# Altium PCB PowerBoard.PcbDoc (part 2 of 4) (continued)
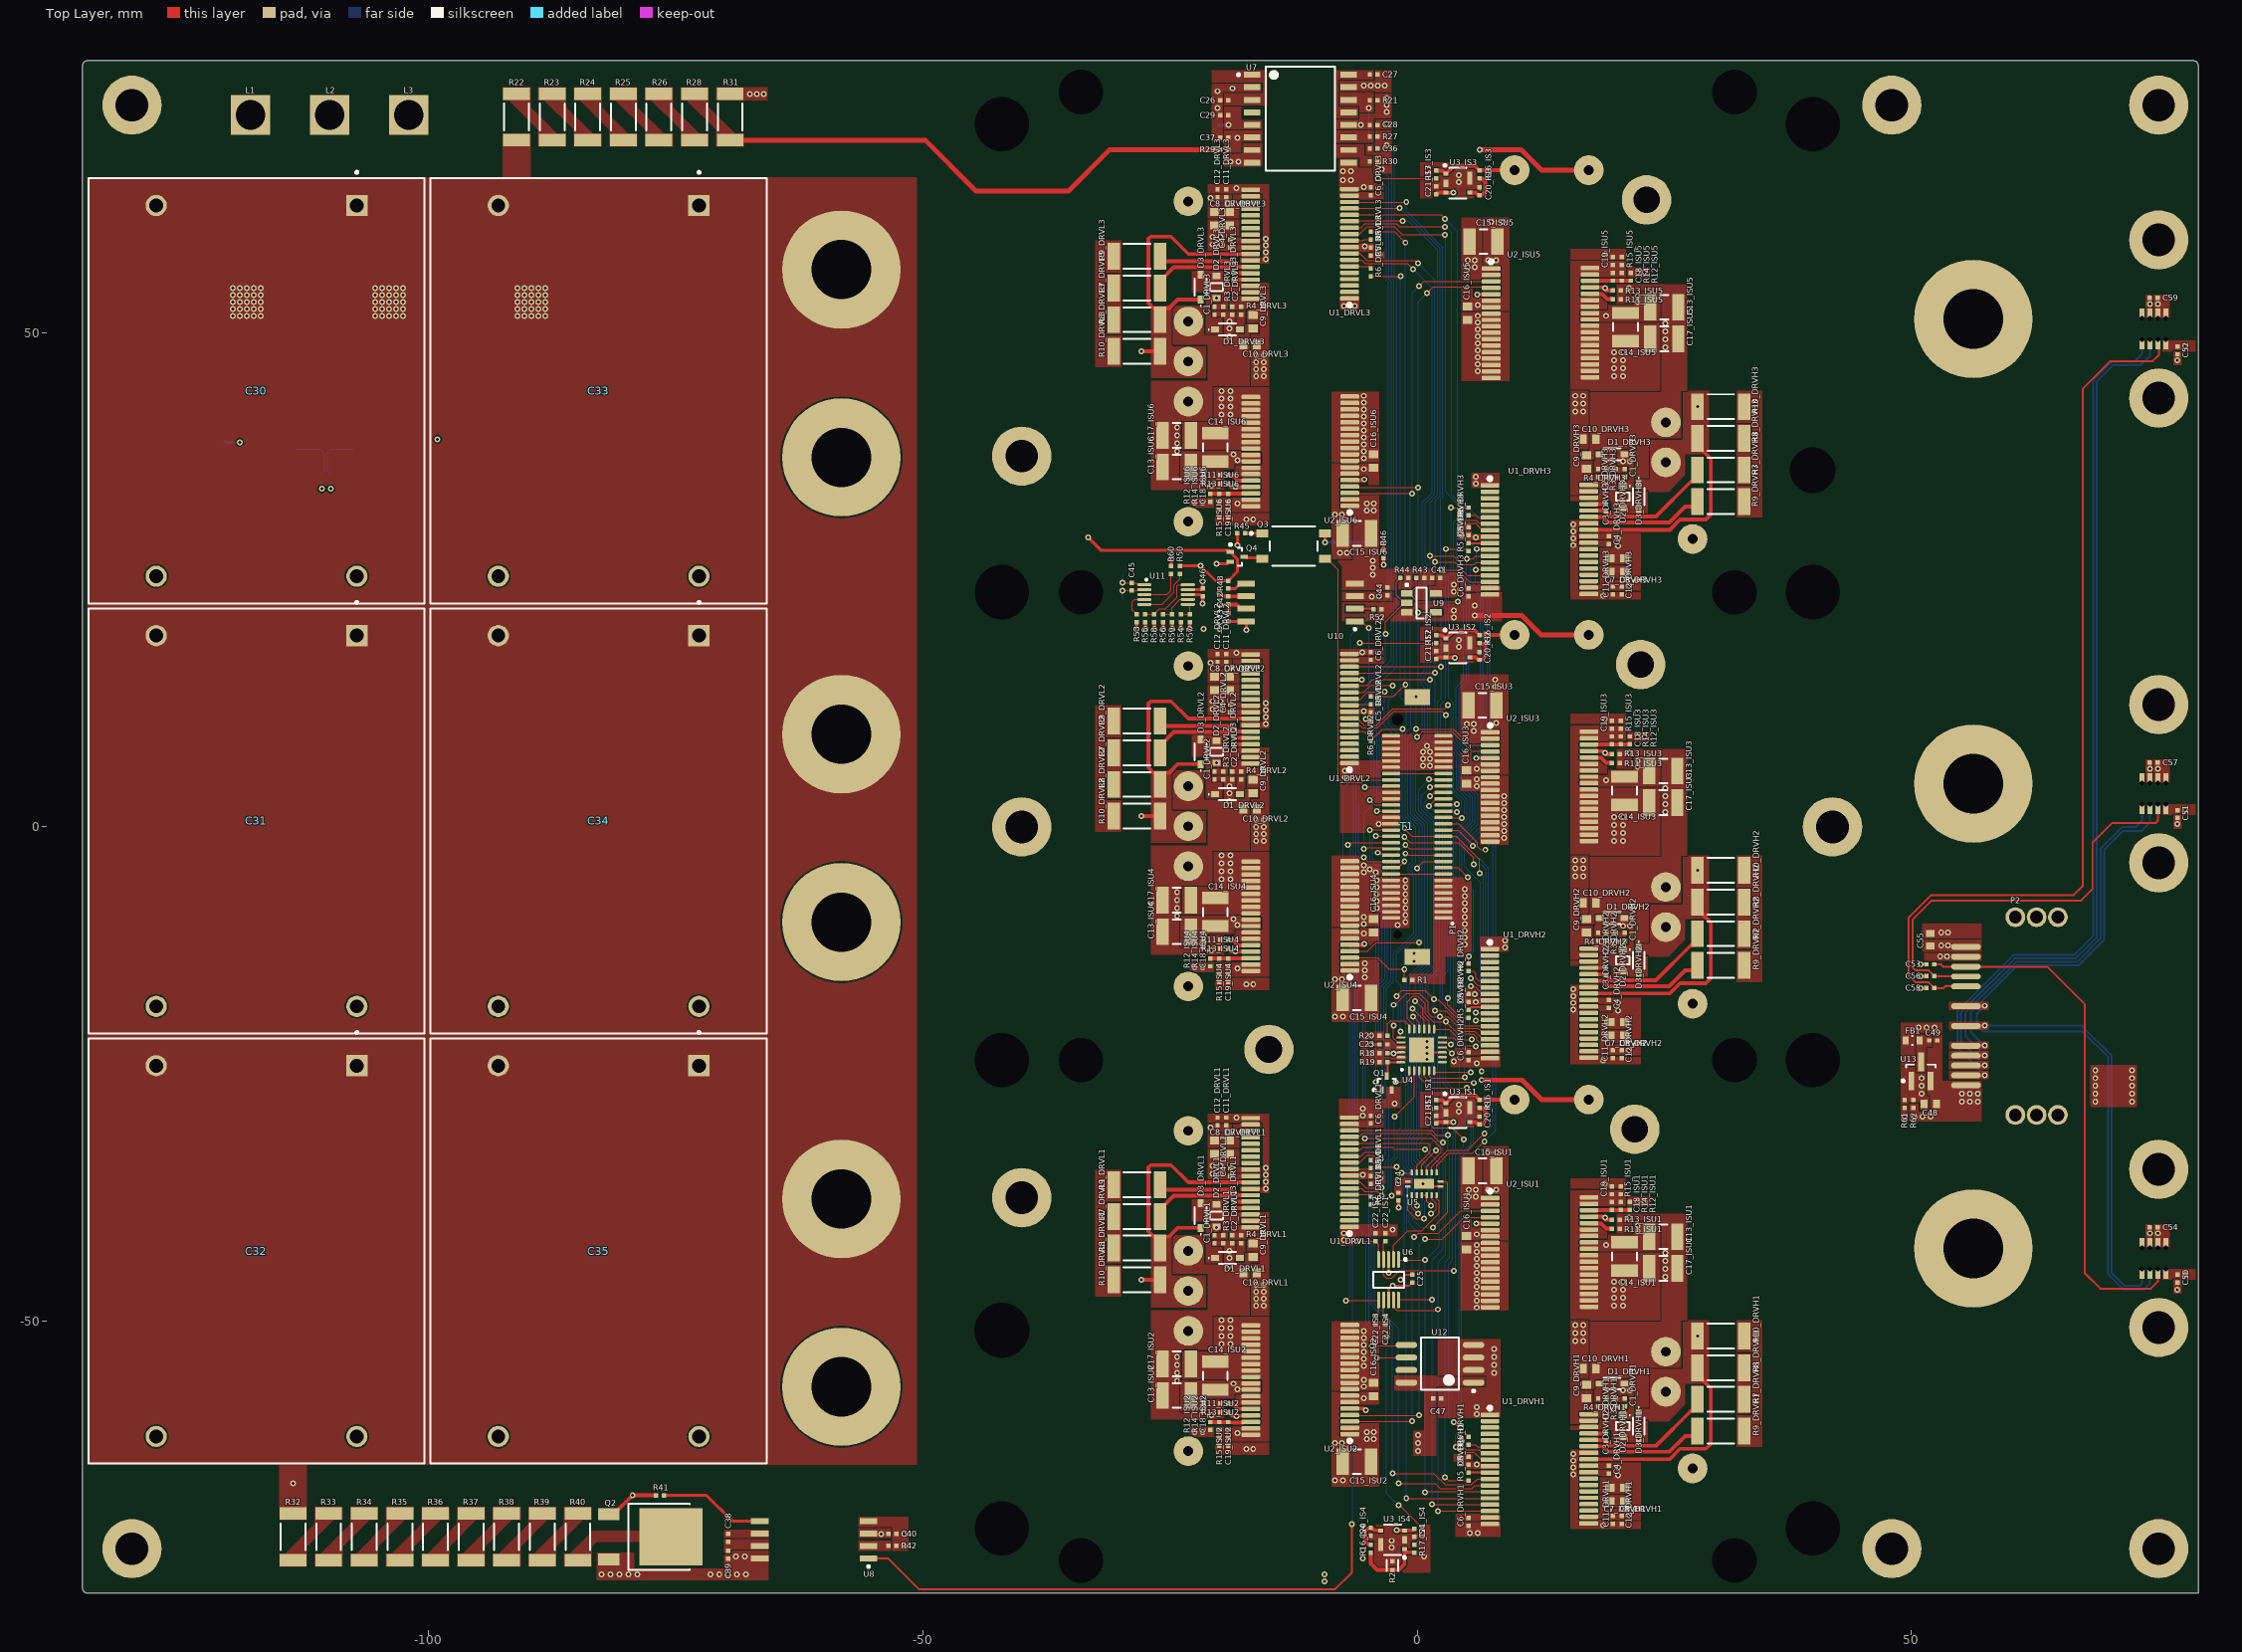
[diagram p0: Top Layer view]
## Nets (pads, with @x,y where several pads share a name; then routed paths per layer and width w, separated by ;. In a path a pad name is that pad's centre, name@x,y a point inside that pad or via, vN(x,y) a via of type N, cw(c..) or ccw(c..) an arc to the next point about the centre after c; other vN are vias at no path point) (continued)
  other v1: 21.4,-22.6 20.3,-18.6 20.3,-17.8 25.1,1.5 25.1,2.3 25.1,3.1 25.1,3.9 21.4,7.5
DRV_COM_DRVH3: C1_DRVH3.2 C2_DRVH3.2 C4_DRVH3.1 C7_DRVH3.2 C8_DRVH3.2 C9_DRVH3.2 C10_DRVH3.2 C11_DRVH3.1 C12_DRVH3.1 C13_ISU5.1 C17_ISU5.2 ICM_ISU5.1 PHS_HBW.1 R3_DRVH3.1 R11_ISU5.1 R13_ISU5.1 T1.S5 U1_DRVH3.28
  other v1: 21.4,24.4 20.3,28.4 20.3,29.2 25.1,48.5 25.1,49.3 25.1,50.1 25.1,50.9 21.4,54.5
DRV_COM_DRVL1: C1_DRVL1.2 C2_DRVL1.2 C4_DRVL1.1 C7_DRVL1.2 C8_DRVL1.2 C9_DRVL1.2 C10_DRVL1.2 C11_DRVL1.1 C12_DRVL1.1 C13_ISU2.1 C17_ISU2.2 ICM_ISU2.1 R3_DRVL1.1 R11_ISU2.1 R13_ISU2.1 T1.S2.1 T1.S2.2 U1_DRVL1.28
  other v1: -20.8,-59.5 -24.3,-56 -24.3,-55.2 -24.3,-54.4 -24.3,-53.6 -19,-44.4 -19,-43.6 -19,-42.9 -20.7,-35.1 -19.9,-35.1 -20.7,-34.3 -19.9,-34.3 -20.9,-30.4
DRV_COM_DRVL2: C1_DRVL2.2 C2_DRVL2.2 C4_DRVL2.1 C7_DRVL2.2 C8_DRVL2.2 C9_DRVL2.2 C10_DRVL2.2 C11_DRVL2.1 C12_DRVL2.1 C13_ISU4.1 C17_ISU4.2 ICM_ISU4.1 R3_DRVL2.1 R11_ISU4.1 R13_ISU4.1 T1.S4.1 T1.S4.2 U1_DRVL2.28
  other v1: -20.8,-12.5 -24.3,-9 -24.3,-8.2 -24.3,-7.4 -24.3,-6.6 -19,2.6 -19,3.4 -19,4.1 -20.7,11.9 -19.9,11.9 -20.7,12.7 -19.9,12.7 -20.9,16.6
DRV_COM_DRVL3: C1_DRVL3.2 C2_DRVL3.2 C4_DRVL3.1 C7_DRVL3.2 C8_DRVL3.2 C9_DRVL3.2 C10_DRVL3.2 C11_DRVL3.1 C12_DRVL3.1 C13_ISU6.1 C17_ISU6.2 ICM_ISU6.1 R3_DRVL3.1 R11_ISU6.1 R13_ISU6.1 T1.S6.1 T1.S6.2 U1_DRVL3.28
  other v1: -20.8,34.5 -24.3,38 -24.3,38.8 -24.3,39.6 -24.3,40.4 -19,49.6 -19,50.4 -19,51.1 -20.7,58.9 -19.9,58.9 -20.7,59.7 -19.9,59.7 -20.9,63.6
DRV_VDD_DRVH1: C9_DRVH1.1 C10_DRVH1.1 C13_ISU1.2 C14_ISU1.2 IVD_ISU1.1 R12_ISU1.1 U1_DRVH1.35 U2_ISU1.28 U2_ISU1.29
  other v1: 16,-52 16.8,-52 16,-51.2 16.8,-51.2 16,-50.4 16.8,-50.4 19.1,-42.3 22.3,-40.9 22.3,-40.3 22.3,-37.9 23,-37.9
DRV_VDD_DRVH2: C9_DRVH2.1 C10_DRVH2.1 C13_ISU3.2 C14_ISU3.2 IVD_ISU3.1 R12_ISU3.1 U1_DRVH2.35 U2_ISU3.28 U2_ISU3.29
  other v1: 16,-5 16.8,-5 16,-4.2 16.8,-4.2 16,-3.4 16.8,-3.4 19.1,4.7 22.3,6.1 22.3,6.7 22.3,9.1 23,9.1
DRV_VDD_DRVH3: C9_DRVH3.1 C10_DRVH3.1 C13_ISU5.2 C14_ISU5.2 IVD_ISU5.1 R12_ISU5.1 U1_DRVH3.35 U2_ISU5.28 U2_ISU5.29
  other v1: 16,42 16.8,42 16,42.8 16.8,42.8 16,43.6 16.8,43.6 19.1,51.7 22.3,53.1 22.3,53.7 22.3,56.1 23,56.1
DRV_VDD_DRVL1: C9_DRVL1.1 C10_DRVL1.1 C13_ISU2.2 C14_ISU2.2 IVD_ISU2.1 R12_ISU2.1 U1_DRVL1.35 U2_ISU2.28 U2_ISU2.29
  other v1: -22.5,-61.2 -21.7,-61.2 -21.6,-58.7 -21.6,-58 -18.2,-56.9 -18.6,-56.3 -16.3,-48.4 -15.5,-48.4 -16.3,-47.7 -15.5,-47.7 -16.3,-47 -15.5,-47 -16.3,-46.3 -15.5,-46.3
DRV_VDD_DRVL2: C9_DRVL2.1 C10_DRVL2.1 C13_ISU4.2 C14_ISU4.2 IVD_ISU4.1 R12_ISU4.1 U1_DRVL2.35 U2_ISU4.28 U2_ISU4.29
  other v1: -22.5,-14.2 -21.7,-14.2 -21.6,-11.7 -21.6,-11 -18.2,-9.9 -18.6,-9.3 -16.3,-1.4 -15.5,-1.4 -16.3,-0.7 -15.5,-0.7 -16.3,0 -15.5,0 -16.3,0.7 -15.5,0.7
DRV_VDD_DRVL3: C9_DRVL3.1 C10_DRVL3.1 C13_ISU6.2 C14_ISU6.2 IVD_ISU6.1 R12_ISU6.1 U1_DRVL3.35 U2_ISU6.28 U2_ISU6.29
  other v1: -22.5,32.8 -21.7,32.8 -21.6,35.3 -21.6,36 -18.2,37.1 -18.6,37.7 -16.3,45.6 -15.5,45.6 -16.3,46.3 -15.5,46.3 -16.3,47 -15.5,47 -16.3,47.7 -15.5,47.7
DRV_VEE_DRVH1: C11_DRVH1.2 C12_DRVH1.2 C14_ISU1.1 C17_ISU1.1 C18_ISU1.2 C19_ISU1.2 IVE_ISU1.1 R14_ISU1.1 R15_ISU1.1 U1_DRVH1.19 U1_DRVH1.30 U2_ISU1.19 U2_ISU1.20 U2_ISU1.21 U2_ISU1.22 U2_ISU1.23 U2_ISU1.24 U2_ISU1.25 U2_ISU1.26 U2_ISU1.27 U2_ISU1.30 U2_ISU1.31 U2_ISU1.35 U2_ISU1.36
  other v1: 18.8,-70.6 15.8,-65.5 15.8,-64.8 15.8,-64.1 15.8,-63.4 19.9,-48.4 20.8,-48.4 19.9,-47.6 20.8,-47.6 19.9,-46.8 20.8,-46.8 19.9,-46 20.8,-46
DRV_VEE_DRVH2: C11_DRVH2.2 C12_DRVH2.2 C14_ISU3.1 C17_ISU3.1 C18_ISU3.2 C19_ISU3.2 IVE_ISU3.1 R14_ISU3.1 R15_ISU3.1 U1_DRVH2.19 U1_DRVH2.30 U2_ISU3.19 U2_ISU3.20 U2_ISU3.21 U2_ISU3.22 U2_ISU3.23 U2_ISU3.24 U2_ISU3.25 U2_ISU3.26 U2_ISU3.27 U2_ISU3.30 U2_ISU3.31 U2_ISU3.35 U2_ISU3.36
  other v1: 18.8,-23.6 15.8,-18.5 15.8,-17.8 15.8,-17.1 15.8,-16.4 19.9,-1.4 20.8,-1.4 19.9,-0.6 20.8,-0.6 19.9,0.2 20.8,0.2 19.9,1 20.8,1
DRV_VEE_DRVH3: C11_DRVH3.2 C12_DRVH3.2 C14_ISU5.1 C17_ISU5.1 C18_ISU5.2 C19_ISU5.2 IVE_ISU5.1 R14_ISU5.1 R15_ISU5.1 U1_DRVH3.19 U1_DRVH3.30 U2_ISU5.19 U2_ISU5.20 U2_ISU5.21 U2_ISU5.22 U2_ISU5.23 U2_ISU5.24 U2_ISU5.25 U2_ISU5.26 U2_ISU5.27 U2_ISU5.30 U2_ISU5.31 U2_ISU5.35 U2_ISU5.36
  other v1: 18.8,23.4 15.8,28.5 15.8,29.2 15.8,29.9 15.8,30.6 19.9,45.6 20.8,45.6 19.9,46.4 20.8,46.4 19.9,47.2 20.8,47.2 19.9,48 20.8,48
DRV_VEE_DRVL1: C11_DRVL1.2 C12_DRVL1.2 C14_ISU2.1 C17_ISU2.1 C18_ISU2.2 C19_ISU2.2 IVE_ISU2.1 R14_ISU2.1 R15_ISU2.1 U1_DRVL1.19 U1_DRVL1.30 U2_ISU2.19 U2_ISU2.20 U2_ISU2.21 U2_ISU2.22 U2_ISU2.23 U2_ISU2.24 U2_ISU2.25 U2_ISU2.26 U2_ISU2.27 U2_ISU2.30 U2_ISU2.31 U2_ISU2.35 U2_ISU2.36
  other v1: -18.2,-61.3 -19.8,-52.3 -18.9,-52.3 -19.8,-51.5 -18.9,-51.5 -19.8,-50.7 -18.9,-50.7 -19.8,-49.9 -18.9,-49.9 -15.3,-36.6 -15.3,-35.9 -15.3,-35.2 -15.3,-34.5 -18.3,-29.4
DRV_VEE_DRVL2: C11_DRVL2.2 C12_DRVL2.2 C14_ISU4.1 C17_ISU4.1 C18_ISU4.2 C19_ISU4.2 IVE_ISU4.1 R14_ISU4.1 R15_ISU4.1 U1_DRVL2.19 U1_DRVL2.30 U2_ISU4.19 U2_ISU4.20 U2_ISU4.21 U2_ISU4.22 U2_ISU4.23 U2_ISU4.24 U2_ISU4.25 U2_ISU4.26 U2_ISU4.27 U2_ISU4.30 U2_ISU4.31 U2_ISU4.35 U2_ISU4.36
  other v1: -18.2,-14.3 -19.8,-5.3 -18.9,-5.3 -19.8,-4.5 -18.9,-4.5 -19.8,-3.7 -18.9,-3.7 -19.8,-2.9 -18.9,-2.9 -15.3,10.4 -15.3,11.1 -15.3,11.8 -15.3,12.5 -18.3,17.6
DRV_VEE_DRVL3: C11_DRVL3.2 C12_DRVL3.2 C14_ISU6.1 C17_ISU6.1 C18_ISU6.2 C19_ISU6.2 IVE_ISU6.1 R14_ISU6.1 R15_ISU6.1 U1_DRVL3.19 U1_DRVL3.30 U2_ISU6.19 U2_ISU6.20 U2_ISU6.21 U2_ISU6.22 U2_ISU6.23 U2_ISU6.24 U2_ISU6.25 U2_ISU6.26 U2_ISU6.27 U2_ISU6.30 U2_ISU6.31 U2_ISU6.35 U2_ISU6.36
  other v1: -18.2,32.7 -19.8,41.7 -18.9,41.7 -19.8,42.5 -18.9,42.5 -19.8,43.3 -18.9,43.3 -19.8,44.1 -18.9,44.1 -15.3,57.4 -15.3,58.1 -15.3,58.8 -15.3,59.5 -18.3,64.6
GND: C5_DRVH1.1 C5_DRVH2.1 C5_DRVH3.1 C5_DRVL1.1 C5_DRVL2.1 C5_DRVL3.1 C6_DRVH1.1 C6_DRVH2.1 C6_DRVH3.1 C6_DRVL1.1 C6_DRVL2.1 C6_DRVL3.1 C15_ISU1.1 C15_ISU2.1 C15_ISU3.1 C15_ISU4.1 C15_ISU5.1 C15_ISU6.1 C16_ISU1.1 C16_ISU2.1 C16_ISU3.1 C16_ISU4.1 C16_ISU5.1 C16_ISU6.1 C20_IS1.1 C20_IS2.1 C20_IS3.1 C20_IS4.1 C21_IS1.1 C21_IS2.1 C21_IS3.1 C21_IS4.1 C22_IS1.1 C22_IS2.1 C22_IS3.1 C22_IS4.1 C23.1 C24.1 C25.1 C27.2 C28.2 C40.1 C41.2 C44.1 C47.1 GND1.1 GND2.1 GND3.1 GND4.1 GND5.1 GND6.1 P1.25 P1.26 P1.27 P1.28 P1.29 P1.30 P1.46 P1.47 P1.50 P1.51 P1.55 P1.56 P1.57 P1.58 P1.59 P1.60 P1.M1 P1.M2 Q1.2 R2.2 R42.1 R43.2 R44.2 R52.1 T1.T2 T1.T4 T1.T6 U1_DRVH1.1 U1_DRVH1.18 U1_DRVH2.1 U1_DRVH2.18 U1_DRVH3.1 U1_DRVH3.18 U1_DRVL1.1 U1_DRVL1.18 U1_DRVL2.1 U1_DRVL2.18 U1_DRVL3.1 U1_DRVL3.18 U2_ISU1.1 U2_ISU1.2 U2_ISU1.5 U2_ISU1.8 U2_ISU1.9 U2_ISU1.10 U2_ISU1.11 U2_ISU1.12 U2_ISU1.13 U2_ISU1.14 U2_ISU1.15 U2_ISU1.16 U2_ISU1.17 U2_ISU1.18 U2_ISU2.1 U2_ISU2.2 U2_ISU2.5 U2_ISU2.8 U2_ISU2.9 U2_ISU2.10 U2_ISU2.11 U2_ISU2.12 U2_ISU2.13 U2_ISU2.14 U2_ISU2.15 U2_ISU2.16 U2_ISU2.17 U2_ISU2.18 U2_ISU3.1 U2_ISU3.2 U2_ISU3.5 U2_ISU3.8 U2_ISU3.9 U2_ISU3.10 U2_ISU3.11 U2_ISU3.12 U2_ISU3.13 U2_ISU3.14 U2_ISU3.15 U2_ISU3.16 U2_ISU3.17 U2_ISU3.18 U2_ISU4.1 U2_ISU4.2 U2_ISU4.5 U2_ISU4.8 U2_ISU4.9 U2_ISU4.10 U2_ISU4.11 U2_ISU4.12 U2_ISU4.13 U2_ISU4.14 U2_ISU4.15 U2_ISU4.16 U2_ISU4.17 U2_ISU4.18 U2_ISU5.1 U2_ISU5.2 U2_ISU5.5 U2_ISU5.8 U2_ISU5.9 U2_ISU5.10 U2_ISU5.11 U2_ISU5.12 U2_ISU5.13 U2_ISU5.14 U2_ISU5.15 U2_ISU5.16 U2_ISU5.17 U2_ISU5.18 U2_ISU6.1 U2_ISU6.2 U2_ISU6.5 U2_ISU6.8 U2_ISU6.9 U2_ISU6.10 U2_ISU6.11 U2_ISU6.12 U2_ISU6.13 U2_ISU6.14 U2_ISU6.15 U2_ISU6.16 U2_ISU6.17 U2_ISU6.18 U3_IS1.2 U3_IS1.5 U3_IS2.2 U3_IS2.5 U3_IS3.2 U3_IS3.5 U3_IS4.2 U3_IS4.5 U4.9 U4.EP U5.8 U5.17 U6.3 U7.9 U7.15 U8.4 U9.3 U10.4 U12.2 U12.3 U12.4 | length 53.8
  Top Layer w0.2: v1(-2.9,-45.1) U6.3@-2.9,-43.75 ; v1(-1.7,-45.8) -1.2,-45.3 C25.1@-0.5,-45.3 ; U4.EP@0.45,-22.55 0.7,-22.8 U4.9@2.55,-22.8 ; v1(0.6,-36.1) 0.85,-36.35 U5.8@2.35,-36.35
  Top Layer w0.3: v1(-4.7,-22) C23.1@-3.8,-22 ; v1(-1.9,-38.5) C24.1@-1.9,-37.8
  Top Layer w0.381: U2_ISU2.5@-6.825,-58.825 -5.434,-58.825 -5.259,-59 v1(-5.2,-59) ; U2_ISU4.5@-6.825,-11.925 -5.479,-11.925 -5.409,-11.855 v1(-5.35,-11.855) ; U2_ISU6.5@-6.825,35.075 -5.479,35.075 -5.409,35.145 v1(-5.35,35.145) ; v1(5.977,-40.14) 5.984,-40.132 7.368,-40.132 U2_ISU1.5@7.375,-40.125 ; v1(5.977,6.96) 5.984,6.968 7.368,6.968 U2_ISU3.5@7.375,6.975 ; v1(6.077,53.86) 6.084,53.868 7.468,53.868 U2_ISU5.5@7.475,53.875
  Top Layer w0.5: v1(-5.2,10.9) -5.173,10.9 -5.073,10.8 C5_DRVL2.1@-4.7,10.8 ; v1(5.8,21.4) 10.557,21.4 12.537,19.42 T1.T4@17.35,19.42 ; v1(6.3,68.5) 10.5,68.5 12.58,66.42 T1.T6@17.35,66.42 ; v1(6.5,-25.6) 10.6,-25.6 12.58,-27.58 T1.T2@17.35,-27.58
  other v1: 0.7,-73.8 -2.6,-72.9 -51.9,-72.7 -2.6,-72.2 -51.9,-71.5 5.3,-71.4 6.1,-71.4 4.3,-63.8 -5.1,-61.9 -4.4,-61.9 -5.1,-61.2 -4.4,-61.2 6,-59.4 6,-58.7 -5.4,-56.6 -5.4,-55.9 7.8,-55.2 -5.4,-54.5 7.8,-54.4 -5.4,-53.8 7.8,-53.6 -5.4,-53.1 7.8,-52.8 -5.4,-52.4 -5.4,-51.7 -5.4,-51 6,-48.6 6,-47.9 6,-47.2 6,-46.5 6,-45.8 6,-45.1 6,-44.4 6,-43.7 6,-43 6,-42.3 -7.4,-41.8 -7.4,-41.1 -2.5,-40.7 5.2,-37.4 5.9,-37.4 5.2,-36.7 5.9,-36.7 -3.748,-35.547 -5.5,-29.2 4.2,-28.8 -5.5,-28.5 4.2,-28.1 -2.3,-28 6.5,-24.7 6,-23.9 3.7,-23.7 1,-23.5 1,-22.9 1,-22.3 1,-21.7 5.8,-16.9 -5.3,-15.2 -5.3,-14.5 -5.3,-13.8 -0.3,-13.6 -0.3,-12.8 8.9,-12.2 8.9,-11.5 -5.4,-9.8 -5.4,-9.1 -5.4,-4.6 -4.2,-4.6 -4.8,-4.3 -5.4,-3.9 8.8,-1.1 8.8,-0.4 -3.9,0.3 8.8,0.3 8.8,1 8.8,1.7 8.8,2.4 8.8,3.1 6,4.1 6,4.8 -7.3,5 -7.3,5.7 0.6,6.2 1.3,6.2 0.6,6.9 1.3,6.9 0.6,7.6 1.3,7.6 1,8.2 5.7,9.7 5,10.4 5.7,10.4 -0.1,13.2 -5.547,17.639 4.2,18.2 4.2,18.9 -3.7,21.2 3.7,21.2 3.7,21.9 5.8,22.4 -4.5,25.5 -4.5,26.2 -4.5,26.9 4.5,29.5 -5.1,32 -4.4,32 -5.1,32.7 -4.4,32.7 5.9,34.7 5.9,35.4 -5.4,37.3 -5.4,38 -5.4,38.7 -5.4,39.4 -5.4,40.1 -5.4,40.8 -5.4,41.5 -5.4,42.2 -5.4,42.9 -5.4,43.6 6.1,46.1 6.1,46.8 6.1,47.5 6.1,48.2 6.1,48.9 6.1,49.6 6.1,50.3 6.1,51 6.1,51.7 -7.4,52.7 -6.3,52.7 5.1,56.6 5.8,56.6 5.1,57.3 5.8,57.3 -3.8,57.9 -5.4,64.7 4.2,65.2 -7.5,65.4 -6.7,65.4 4.2,65.9 -7.5,66.3 -6.7,66.3 -3.1,71.1 -5.4,75 -4.7,75 -4,75 -3.3,75
HLDO: C29.2 HLDO.1 U7.5 | length 1
  Bottom Layer w0.3: HLDO.1@-20.1,71 v1(-19.1,71)
IS_FBVDD_ISU1: C18_ISU1.1 R12_ISU1.2 R14_ISU1.2 U2_ISU1.34 | length 4.1
  Top Layer w0.381: U2_ISU1.34@17.375,-38.775 17.387,-38.763 19.675,-38.763 20.575,-38.763 21.463,-38.763 R12_ISU1.2@21.475,-38.75
IS_FBVDD_ISU2: C18_ISU2.1 R12_ISU2.2 R14_ISU2.2 U2_ISU2.34 | length 4.2
  Top Layer w0.381: R12_ISU2.2@-20.925,-60.2 -20.037,-60.2 -20.025,-60.188 -20.013,-60.2 -19.137,-60.2 -19.125,-60.188 C18_ISU2.1@-19.125,-60.2 -19.091,-60.235 -18.571,-60.235 -18.565,-60.24 -17.615,-60.24 -17.55,-60.175 U2_ISU2.34@-16.825,-60.175
IS_FBVDD_ISU3: C18_ISU3.1 R12_ISU3.2 R14_ISU3.2 U2_ISU3.34 | length 4.1
  Top Layer w0.381: U2_ISU3.34@17.375,8.325 17.387,8.337 19.675,8.337 20.575,8.337 21.463,8.337 R12_ISU3.2@21.475,8.35
IS_FBVDD_ISU4: C18_ISU4.1 R12_ISU4.2 R14_ISU4.2 U2_ISU4.34 | length 5.6
  Top Layer w0.381: R12_ISU4.2@-20.925,-13.3 -20.913,-13.288 -20.025,-13.288 -19.125,-13.288 -18.3,-13.288 -16.837,-13.288 U2_ISU4.34@-16.825,-13.275 -18.3,-13.275
IS_FBVDD_ISU5: C18_ISU5.1 R12_ISU5.2 R14_ISU5.2 U2_ISU5.34 | length 4.1
  Top Layer w0.381: U2_ISU5.34@17.475,55.225 17.487,55.237 19.775,55.237 20.675,55.237 21.563,55.237 R12_ISU5.2@21.575,55.25
IS_FBVDD_ISU6: C18_ISU6.1 R12_ISU6.2 R14_ISU6.2 U2_ISU6.34 | length 5.6
  Top Layer w0.381: R12_ISU6.2@-20.925,33.7 -20.913,33.712 -16.837,33.712 U2_ISU6.34@-16.825,33.725 -18.3,33.725
IS_FBVEE_ISU1: C19_ISU1.1 R13_ISU1.2 R15_ISU1.2 U2_ISU1.33 | length 2.4
  Top Layer w0.381: U2_ISU1.33@17.375,-39.425 18.7,-39.425 19.025,-39.75 R13_ISU1.2@19.675,-39.75
  other v1: 19,-39.5 19,-36.1
IS_FBVEE_ISU2: C19_ISU2.1 R13_ISU2.2 R15_ISU2.2 U2_ISU2.33 | length 2.5
  Top Layer w0.381: R13_ISU2.2@-19.125,-59.2 -18.767,-59.558 -18.342,-59.558 v1(-18.3,-59.6) -18.26,-59.56 -16.86,-59.56 U2_ISU2.33@-16.825,-59.525
  other v1: -17.3,-62.9 -16.6,-62.9
IS_FBVEE_ISU3: C19_ISU3.1 R13_ISU3.2 R15_ISU3.2 U2_ISU3.33 | length 2.4
  Top Layer w0.381: U2_ISU3.33@17.375,7.675 18.7,7.675 19.025,7.35 R13_ISU3.2@19.675,7.35
  other v1: 19,7.5 19,10.9
IS_FBVEE_ISU4: C19_ISU4.1 R13_ISU4.2 R15_ISU4.2 U2_ISU4.33 | length 2.4
  Top Layer w0.381: R13_ISU4.2@-19.125,-12.3 -18.8,-12.625 U2_ISU4.33@-16.825,-12.625
  other v1: -17.3,-15.9 -16.6,-15.9 -18.4,-12.6
IS_FBVEE_ISU5: C19_ISU5.1 R13_ISU5.2 R15_ISU5.2 U2_ISU5.33 | length 2.4
  Top Layer w0.381: U2_ISU5.33@17.475,54.575 18.8,54.575 19.125,54.25 R13_ISU5.2@19.775,54.25
  other v1: 19,54.5 19,57.9
IS_FBVEE_ISU6: C19_ISU6.1 R13_ISU6.2 R15_ISU6.2 U2_ISU6.33 | length 2.4
  Top Layer w0.381: R13_ISU6.2@-19.125,34.7 -18.8,34.375 U2_ISU6.33@-16.825,34.375
  other v1: -17.3,31.1 -16.6,31.1 -18.4,34.4
IU: B1.7 C53.2 P2.6 | length 53.7
  Top Layer w0.2: C53.2@52.3,-13.9 52.97,-13.9 53.2,-14.13 P2.6@55.5,-14.13 63.73,-14.13 67.5,-17.9 67.5,-45.1 69.1,-46.7 74.2,-46.7 74.9,-46 B1.7@74.9,-44.68
IV: B2.7 C56.2 P2.2 | length 43.5
  Top Layer w0.2: P2.2@55.5,-15.13 52.33,-15.13 51.975,-14.775 51.975,-14.771 51.704,-14.5 50.4,-14.5 50.1,-14.2 50.1,-9.413 52.063,-7.45 67.145,-7.45 68.3,-6.295 68.3,-1.6 70.3,0.4 74.7,0.4 74.9,0.6 B2.7@74.9,1.82
IW: B3.7 C58.2 P2.7 | length 92
  Top Layer w0.2: P2.7@55.5,-16.13 53.4,-16.13 53.23,-16.3 C58.2@52.3,-16.3 51.975,-15.975 51.975,-15.971 51.704,-15.7 50.4,-15.7 49.7,-15 49.7,-9.2 52,-6.9 66.4,-6.9 67.3,-6 67.3,44.3 70.1,47.1 74.4,47.1 75,47.7 75,48.97 B3.7@74.9,49.07
N: C26.1 C29.1 C30.2 C30.4 C31.2 C31.4 C32.2 C32.4 C33.2 C33.4 C34.2 C34.4 C35.2 C35.4 C37.1 C39.2 DCN.1 Q2.3 Q5.4 R31.1 T1.N1 T1.N2 T1.N3 U7.2 U7.7 U7.8 U8.8
  other v1: -82.5,-75.6 -81.6,-75.6 -80.7,-75.6 -79.8,-75.6 -78.9,-75.6 -71.5,-75.6 -70.6,-75.6 -69.7,-75.6 -68.8,-75.6 -67.9,-75.6 -68.9,-73.8 -68,-73.8 -18.9,67.3 -18.1,67.3 -20.2,72.7 -67.5,74.1 -66.8,74.1 -66.1,74.1 -20.2,74.4 -18.7,74.7
NetC1_DRVH1_1: C1_DRVH1.1 D2_DRVH1.2 D3_DRVH1.2 R3_DRVH1.2 U1_DRVH1.34
  other v1: 22.4,-61.85
NetC1_DRVH2_1: C1_DRVH2.1 D2_DRVH2.2 D3_DRVH2.2 R3_DRVH2.2 U1_DRVH2.34
  other v1: 22.4,-14.85
NetC1_DRVH3_1: C1_DRVH3.1 D2_DRVH3.2 D3_DRVH3.2 R3_DRVH3.2 U1_DRVH3.34
  other v1: 22.4,32.15
NetC1_DRVL1_1: C1_DRVL1.1 D2_DRVL1.2 D3_DRVL1.2 R3_DRVL1.2 U1_DRVL1.34
NetC1_DRVL2_1: C1_DRVL2.1 D2_DRVL2.2 D3_DRVL2.2 R3_DRVL2.2 U1_DRVL2.34
NetC1_DRVL3_1: C1_DRVL3.1 D2_DRVL3.2 D3_DRVL3.2 R3_DRVL3.2 U1_DRVL3.34
NetC2_DRVH1_1: C2_DRVH1.1 R4_DRVH1.2 U1_DRVH1.36
NetC2_DRVH2_1: C2_DRVH2.1 R4_DRVH2.2 U1_DRVH2.36
NetC2_DRVH3_1: C2_DRVH3.1 R4_DRVH3.2 U1_DRVH3.36
NetC2_DRVL1_1: C2_DRVL1.1 R4_DRVL1.2 U1_DRVL1.36
NetC2_DRVL2_1: C2_DRVL2.1 R4_DRVL2.2 U1_DRVL2.36
NetC2_DRVL3_1: C2_DRVL3.1 R4_DRVL3.2 U1_DRVL3.36
NetC3_DRVH1_1: C3_DRVH1.1 R7_DRVH1.1 U1_DRVH1.32 | length 13.8
  Top Layer w0.381: U1_DRVH1.32@17.35,-62 18.872,-62 18.937,-62.065 19.065,-62.065 19.6,-62.6 24.15,-62.6 27.69,-59.06 27.915,-59.06 28.35,-58.625 R7_DRVH1.1@28.35,-58.4 ; R7_DRVH1.1@28.45,-57.925 R7_DRVH1.1@28.45,-57.2
NetC3_DRVH1_2: C3_DRVH1.2 U1_DRVH1.33 | length 1.8
  Top Layer w0.381: U1_DRVH1.33@17.35,-61.35 19.05,-61.35 C3_DRVH1.2@19.1,-61.3
NetC3_DRVH2_1: C3_DRVH2.1 R7_DRVH2.1 U1_DRVH2.32 | length 13.8
  Top Layer w0.381: U1_DRVH2.32@17.35,-14.9 18.872,-14.9 18.937,-14.965 19.065,-14.965 19.6,-15.5 24.15,-15.5 27.69,-11.96 27.915,-11.96 28.35,-11.525 R7_DRVH2.1@28.35,-11.3 ; R7_DRVH2.1@28.45,-10.825 R7_DRVH2.1@28.45,-10.1
NetC3_DRVH2_2: C3_DRVH2.2 U1_DRVH2.33 | length 1.8
  Top Layer w0.381: U1_DRVH2.33@17.35,-14.25 19.05,-14.25 C3_DRVH2.2@19.1,-14.2
NetC3_DRVH3_1: C3_DRVH3.1 R7_DRVH3.1 U1_DRVH3.32 | length 13.8
  Top Layer w0.381: U1_DRVH3.32@17.35,32 18.872,32 18.937,31.935 19.065,31.935 19.6,31.4 24.15,31.4 27.69,34.94 27.915,34.94 28.35,35.375 R7_DRVH3.1@28.35,35.6 ; R7_DRVH3.1@28.45,36.075 R7_DRVH3.1@28.45,36.8
NetC3_DRVH3_2: C3_DRVH3.2 U1_DRVH3.33 | length 1.8
  Top Layer w0.381: U1_DRVH3.33@17.35,32.65 19.05,32.65 C3_DRVH3.2@19.1,32.7
NetC3_DRVL1_1: C3_DRVL1.1 R7_DRVL1.1 U1_DRVL1.32 | length 10.7
  Top Layer w0.381: R7_DRVL1.1@-26,-39.4 -26,-38.675 -24.625,-37.3 -19.1,-37.3 -18.566,-37.835 -18.437,-37.835 -18.372,-37.9 U1_DRVL1.32@-16.85,-37.9
NetC3_DRVL1_2: C3_DRVL1.2 U1_DRVL1.33 | length 1.8
  Top Layer w0.381: C3_DRVL1.2@-18.6,-38.6 -18.55,-38.55 U1_DRVL1.33@-16.85,-38.55
NetC3_DRVL2_1: C3_DRVL2.1 R7_DRVL2.1 U1_DRVL2.32 | length 10.7
  Top Layer w0.381: R7_DRVL2.1@-26,7.5 -26,8.225 -24.625,9.6 -19.1,9.6 -18.566,9.065 -18.437,9.065 -18.372,9 U1_DRVL2.32@-16.85,9
NetC3_DRVL2_2: C3_DRVL2.2 U1_DRVL2.33 | length 1.8
  Top Layer w0.381: C3_DRVL2.2@-18.6,8.3 -18.55,8.35 U1_DRVL2.33@-16.85,8.35
NetC3_DRVL3_1: C3_DRVL3.1 R7_DRVL3.1 U1_DRVL3.32 | length 10.7
  Top Layer w0.381: R7_DRVL3.1@-26,54.5 -26,55.225 -24.625,56.6 -19.1,56.6 -18.566,56.065 -18.437,56.065 -18.372,56 U1_DRVL3.32@-16.85,56
NetC3_DRVL3_2: C3_DRVL3.2 U1_DRVL3.33 | length 1.8
  Top Layer w0.381: C3_DRVL3.2@-18.6,55.3 -18.55,55.35 U1_DRVL3.33@-16.85,55.35
NetC4_DRVH1_2: C4_DRVH1.2 U1_DRVH1.27
NetC4_DRVH2_2: C4_DRVH2.2 U1_DRVH2.27
NetC4_DRVH3_2: C4_DRVH3.2 U1_DRVH3.27
NetC4_DRVL1_2: C4_DRVL1.2 U1_DRVL1.27
NetC4_DRVL2_2: C4_DRVL2.2 U1_DRVL2.27
NetC4_DRVL3_2: C4_DRVL3.2 U1_DRVL3.27
NetC6_DRVH1_2: C6_DRVH1.2 U1_DRVH1.17
NetC6_DRVH2_2: C6_DRVH2.2 U1_DRVH2.17
NetC6_DRVH3_2: C6_DRVH3.2 U1_DRVH3.17
NetC6_DRVL1_2: C6_DRVL1.2 U1_DRVL1.17
NetC6_DRVL2_2: C6_DRVL2.2 U1_DRVL2.17
NetC6_DRVL3_2: C6_DRVL3.2 U1_DRVL3.17
NetC7_DRVH1_1: C7_DRVH1.1 C8_DRVH1.1 U1_DRVH1.20
NetC7_DRVH2_1: C7_DRVH2.1 C8_DRVH2.1 U1_DRVH2.20
NetC7_DRVH3_1: C7_DRVH3.1 C8_DRVH3.1 U1_DRVH3.20
NetC7_DRVL1_1: C7_DRVL1.1 C8_DRVL1.1 U1_DRVL1.20
NetC7_DRVL2_1: C7_DRVL2.1 C8_DRVL2.1 U1_DRVL2.20
NetC7_DRVL3_1: C7_DRVL3.1 C8_DRVL3.1 U1_DRVL3.20
NetC20_IS1_2: C20_IS1.2 R16_IS1.1 U3_IS1.4 | length 3.3
  Top Layer w0.381: U3_IS1.4@5.3,-29.85 5.918,-29.85 6.134,-30.065 6.265,-30.065 C20_IS1.2@6.3,-30.1 ; R16_IS1.1@6.3,-28.4 6.334,-28.434 6.577,-28.434 6.865,-28.723 6.865,-29.777 6.577,-30.065
NetC20_IS2_2: C20_IS2.2 R16_IS2.1 U3_IS2.4 | length 3.3
  Top Layer w0.381: U3_IS2.4@5.3,17.15 5.918,17.15 6.134,16.935 6.265,16.935 C20_IS2.2@6.3,16.9 ; R16_IS2.1@6.3,18.6 6.334,18.566 6.577,18.566 6.865,18.277 6.865,17.223 6.577,16.935
NetC20_IS3_2: C20_IS3.2 R16_IS3.1 U3_IS3.4 | length 3.3
  Top Layer w0.381: U3_IS3.4@5.3,64.15 5.918,64.15 6.134,63.935 6.265,63.935 C20_IS3.2@6.3,63.9 ; R16_IS3.1@6.3,65.6 6.334,65.566 6.577,65.566 6.865,65.277 6.865,64.223 6.577,63.935
NetC20_IS4_2: C20_IS4.2 R16_IS4.1 U3_IS4.4 | length 3.3
  Top Layer w0.381: -4.977,-70.935 -5.266,-71.223 -5.266,-72.277 -4.977,-72.566 -4.735,-72.566 R16_IS4.1@-4.7,-72.6 ; C20_IS4.2@-4.7,-70.9 -4.665,-70.935 -4.534,-70.935 -4.318,-71.15 U3_IS4.4@-3.7,-71.15
NetC22_IS1_2: C22_IS1.2 R17_IS1.2 TMPA_IS1.1 U6.4 | length 30.7
  Top Layer w0.12: C22_IS1.2@-3.2,-41.9 -3.4,-42.1 U6.4@-3.4,-43.75 -3.41,-43.76 -3.41,-45.311 -3.111,-45.61 -2.548,-45.61 -1.803,-44.865 3.665,-44.865 v1(3.7,-44.9) ; R17_IS1.2@1.9,-28.4 1.4,-28.9 1.4,-30.247 1.603,-30.45 3.55,-30.45 v1(4.7,-31.6)
  Bottom Layer w0.12: v1(3.7,-44.9) 3.7,-44.79 3.9,-44.59 3.9,-33.1 4.7,-32.3 v1(4.7,-31.6)
NetC22_IS2_2: C22_IS2.2 R17_IS2.2 TMPA_IS2.1 U6.5 | length 72.4
  Top Layer w0.12: v1(-6,-41.9) C22_IS2.2@-4.2,-41.9 -3.9,-42.2 U6.5@-3.9,-43.75 ; v1(-5.8,18.6) R17_IS2.2@1.9,18.6
  Bottom Layer w0.12: v1(-6,-41.9) -6,-41.881 -6.28,-41.601 -6.28,-11.023 -6.45,-10.853 -6.45,17.95 v1(-5.8,18.6)
NetC22_IS3_2: C22_IS3.2 R17_IS3.2 TMPA_IS3.1 U6.6 | length 127.3
  Top Layer w0.12: v1(-7.2,-47.9) -3.95,-47.9 U6.6@-3.9,-47.85 -3.9,-49.2 C22_IS3.2@-4.2,-49.5 ; v1(-4,65.6) R17_IS3.2@1.9,65.6
  Bottom Layer w0.12: v1(-7.2,-47.9) -6.82,-47.52 -6.82,-15.459 -7.51,-14.769 -7.51,3.876 -6.72,4.666 -6.72,19.38 -2.89,23.21 -2.89,55.023 -3.12,55.253 -3.12,64.72 v1(-4,65.6)
NetC22_IS4_2: C22_IS4.2 R17_IS4.2 TMPA_IS4.1 U6.7 | length 26.9
  Top Layer w0.12: U6.7@-3.4,-47.85 -3.4,-49.3 C22_IS4.2@-3.2,-49.5 -2.765,-49.935 -2.765,-51.256 -3.1,-51.591 v1(-3.1,-51.6) ; v1(-1.9,-68.6) -1.8,-68.6 0.3,-70.7 0.3,-72 R17_IS4.2@-0.3,-72.6
  Bottom Layer w0.12: v1(-3.1,-51.6) -3.1,-67.4 v1(-1.9,-68.6)
NetC26_2: C26.2 U7.1 U7.3
NetC27_1: C27.1 U7.13 U7.16
NetC36_1: C36.1 P1.48 R27.1 | length 70.1
  Top Layer w0.12: v1(-4.1,1.6) -4.094,1.594 -2.656,1.594 P1.48@-2.65,1.587
  Bottom Layer w0.12: v1(-4.1,1.6) -3.81,1.89 -3.81,14.5 -2.08,16.23 -2.08,55.359 -2.31,55.589 -2.31,68.17 v1(-3.09,68.95)
NetC36_2: C36.2 P1.49 R30.1 | length 67.5
  Top Layer w0.12: v1(-4.8,2.7) -4.323,2.222 P1.49@-2.65,2.222
  Bottom Layer w0.12: v1(-4.8,2.7) -4.35,3.15 -4.35,15.15 -2.62,16.88 -2.62,55.135 -2.85,55.365 -2.85,65.75 v1(-3.6,66.5)
NetC37_2: C37.2 HVMS.1 R29.1 U7.6
  other v1: -18.2,69.7
NetC38_1: C38.1 U8.6
NetC38_2: C38.2 C39.1 U8.7
NetC45_1: C45.1 R49.1 RFCN.1 U11.2 | length 90.7
  Top Layer w0.12: v1(-29.8,23.9) C45.1@-28.9,23.9 -28.324,23.9 -28.224,24 U11.2@-27.6,24
  GND w0.12: v1@-109.9,34.1 -109.9,34.179 -110.2,34.479 -110.2,35.4 -109.9,35.7 -75.682,35.7 -67.712,27.73 -34.13,27.73 -30.5,24.1 -30.11,24.1 -29.91,23.9 v1(-29.8,23.9)
  Bottom Layer w0.12: v1(-109.9,34.2) R49.1@-109.9,34.9 ; RFCN.1@-29.8,23 v1(-29.8,23.9)
NetC45_2: C45.2 R51.1 RFCP.1 U11.1 | length 91.1
  Top Layer w0.12: v1(-29.8,24.7) C45.2@-28.9,24.7 -28.424,24.7 -28.224,24.5 U11.1@-27.6,24.5
  GND w0.12: v1(-110.8,34.2) -110.8,34.279 -110.5,34.579 -110.5,35.482 -109.982,36 -75.6,36 -67.6,28 -34.018,28 -30.418,24.4 -30.1,24.4 v1(-29.8,24.7)
  Bottom Layer w0.12: v1(-110.8,34.2) R51.1@-110.8,34.9 ; v1(-29.8,24.7) RFCP.1@-29.8,25.6
NetC49_2: C49.2 FB1.2 U13.3
NetD1_DRVH1_1: D1_DRVH1.1 D2_DRVH1.1 T1.D1.1
  other v1: 20.8,-57 21.5,-57
NetD1_DRVH1_2: D1_DRVH1.2 R4_DRVH1.1
NetD1_DRVH2_1: D1_DRVH2.1 D2_DRVH2.1 T1.D3.1
  other v1: 20.8,-10 21.5,-10
NetD1_DRVH2_2: D1_DRVH2.2 R4_DRVH2.1
NetD1_DRVH3_1: D1_DRVH3.1 D2_DRVH3.1 T1.D5.1
  other v1: 20.8,37 21.5,37
NetD1_DRVH3_2: D1_DRVH3.2 R4_DRVH3.1
NetD1_DRVL1_1: D1_DRVL1.1 D2_DRVL1.1 T1.D2
  other v1: -20.3,-40.515
NetD1_DRVL1_2: D1_DRVL1.2 R4_DRVL1.1
NetD1_DRVL2_1: D1_DRVL2.1 D2_DRVL2.1 T1.D4
  other v1: -20.3,6.485
NetD1_DRVL2_2: D1_DRVL2.2 R4_DRVL2.1
NetD1_DRVL3_1: D1_DRVL3.1 D2_DRVL3.1 T1.D6
  other v1: -20.3,53.485
NetD1_DRVL3_2: D1_DRVL3.2 R4_DRVL3.1
NetD3_DRVH1_1: D3_DRVH1.1 HGAT_HBU.1 R8_DRVH1.2 R10_DRVH1.2 T1.G1 U1_DRVH1.29 | length 21.2
  Top Layer w0.381: U1_DRVH1.29@17.35,-63.95 25.535,-63.95 26.585,-62.9 29.19,-62.9 29.69,-62.4 29.69,-56.765 28.35,-55.425 R8_DRVH1.2@28.35,-54.7
  other v1: 28.35,-51.5
NetD3_DRVH2_1: D3_DRVH2.1 HGAT_HBV.1 R8_DRVH2.2 R10_DRVH2.2 T1.G3 U1_DRVH2.29 | length 21.2
  Top Layer w0.381: U1_DRVH2.29@17.35,-16.85 25.535,-16.85 26.585,-15.8 29.19,-15.8 29.69,-15.3 29.69,-9.666 28.35,-8.325 R8_DRVH2.2@28.35,-7.6
  other v1: 28.35,-4.4
NetD3_DRVH3_1: D3_DRVH3.1 HGAT_HBW.1 R8_DRVH3.2 R10_DRVH3.2 T1.G5 U1_DRVH3.29 | length 21.2
  Top Layer w0.381: U1_DRVH3.29@17.35,30.05 25.535,30.05 26.585,31.1 29.19,31.1 29.69,31.6 29.69,37.235 28.35,38.575 R8_DRVH3.2@28.35,39.3
  other v1: 28.35,42.5
NetD3_DRVL1_1: D3_DRVL1.1 LGAT_HBU.1 R8_DRVL1.2 R10_DRVL1.2 T1.G2 U1_DRVL1.29 | length 26.5
  Top Layer w0.381: v1(-27.9,-45.8) R10_DRVL1.2@-26,-45.8 ; R8_DRVL1.2@-26,-42.6 -26,-41.875 -26.435,-41.441 -26.66,-41.441 -27.2,-40.9 -27.2,-34.423 -26.977,-34.2 -24.9,-34.2 -23.15,-35.95 U1_DRVL1.29@-16.85,-35.95 ; R8_DRVL1.2@-26,-41.893 -25.566,-41.458 -25.121,-41.458 -24.212,-40.55 D3_DRVL1.1@-21.9,-40.55
NetD3_DRVL2_1: D3_DRVL2.1 LGAT_HBV.1 R8_DRVL2.2 R10_DRVL2.2 T1.G4 U1_DRVL2.29 | length 26.5
  Top Layer w0.381: v1(-27.9,1.1) R10_DRVL2.2@-26,1.1 ; R8_DRVL2.2@-26,4.3 -26,5.025 -26.435,5.459 -26.66,5.459 -27.2,6 -27.2,12.477 -26.977,12.7 -24.9,12.7 -23.15,10.95 U1_DRVL2.29@-16.85,10.95 ; R8_DRVL2.2@-26,5.007 -25.566,5.442 -25.121,5.442 -24.212,6.35 D3_DRVL2.1@-21.9,6.35
NetD3_DRVL3_1: D3_DRVL3.1 LGAT_HBW.1 R8_DRVL3.2 R10_DRVL3.2 T1.G6 U1_DRVL3.29 | length 26.5
  Top Layer w0.381: v1(-27.9,48.1) R10_DRVL3.2@-26,48.1 ; R8_DRVL3.2@-26,51.3 -26,52.025 -26.435,52.459 -26.66,52.459 -27.2,53 -27.2,59.477 -26.977,59.7 -24.9,59.7 -23.15,57.95 U1_DRVL3.29@-16.85,57.95 ; R8_DRVL3.2@-26,52.007 -25.566,52.442 -25.121,52.442 -24.212,53.35 D3_DRVL3.1@-21.9,53.35
NetD4_3: D4.3 D7.1 D7.4 L1.1 RL1.1
NetD5_3: D5.3 D8.1 D8.4 L2.1 RL2.1
NetD6_3: D6.3 D9.1 D9.4 L3.1 RL3.1
NetFBGT_1: FBGT.1 Q2.1 R41.1 | length 5.6
  Top Layer w0.381: Q2.1@-81.78,-69.52 -81.28,-69.52 v1(-79.36,-67.6) R41.1@-77,-67.6